# Altium PCB PCB_ZU.PcbDoc (continued)
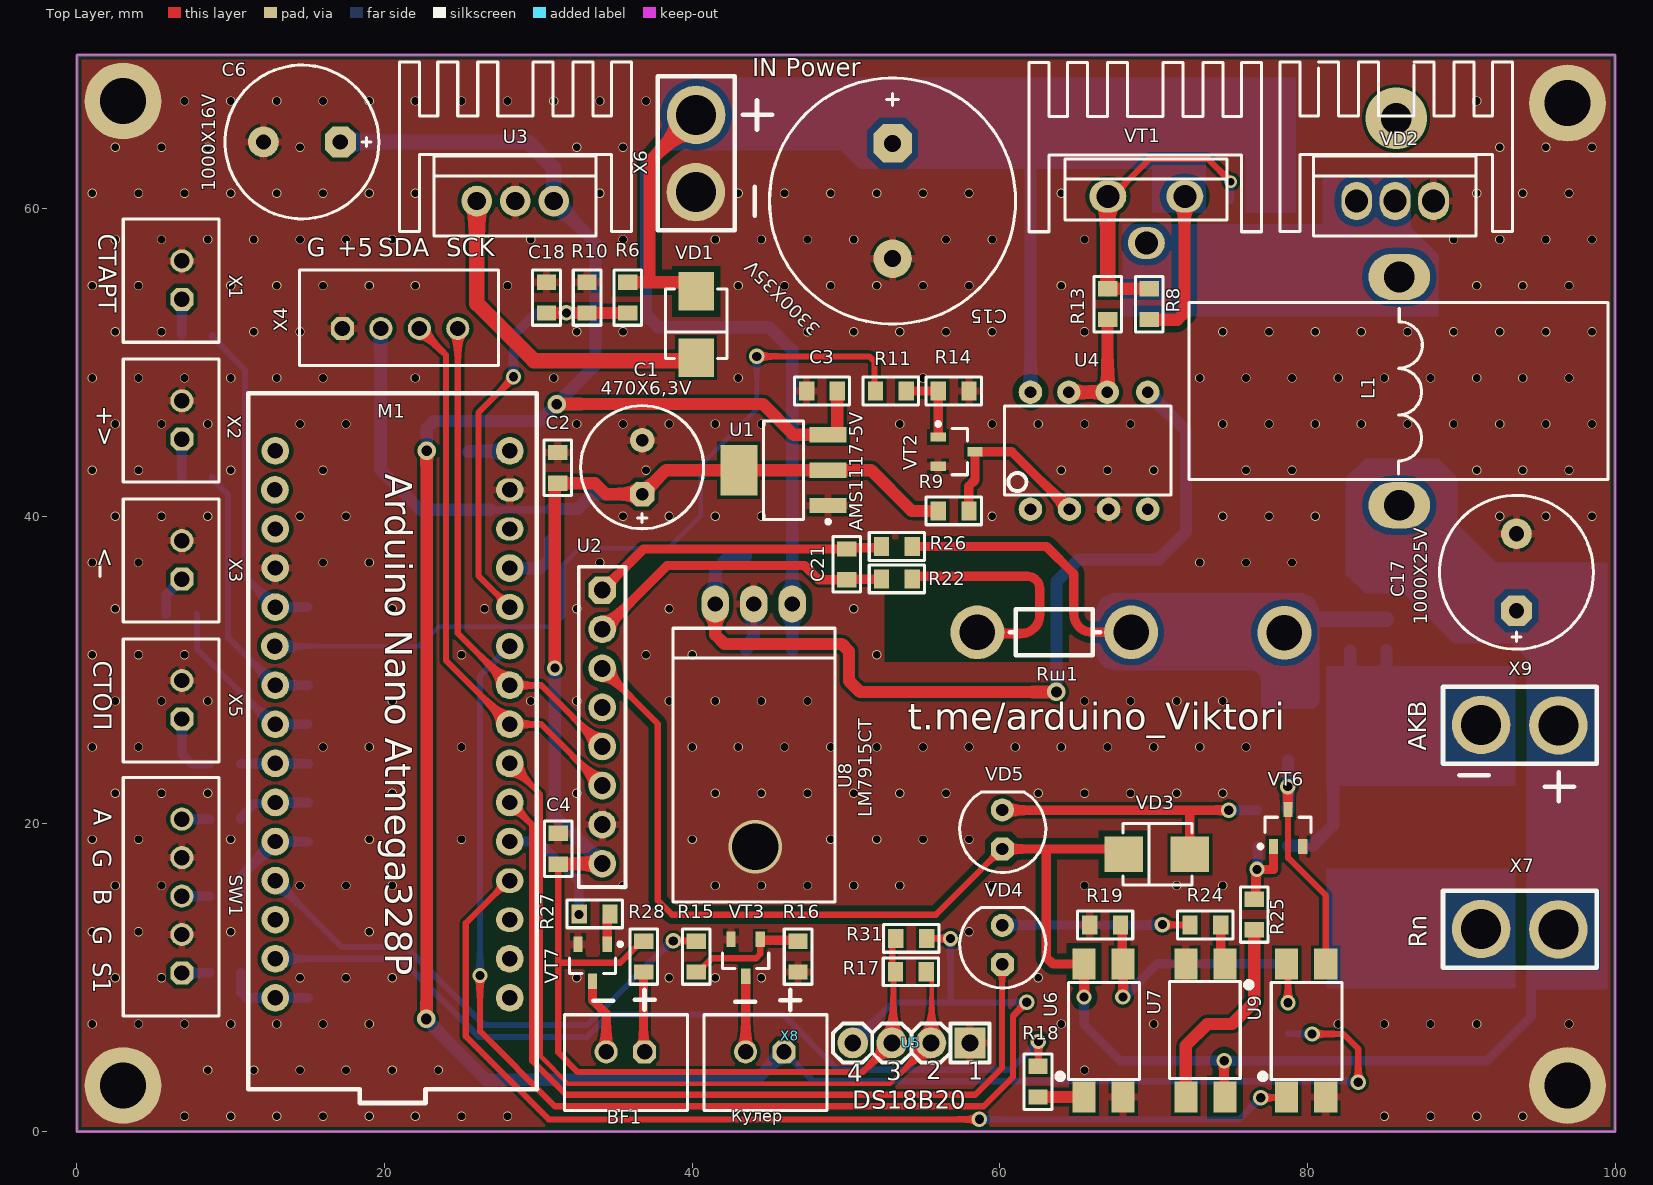
[diagram p0: Top Layer view]
## Footprints (in the part's own frame and the unit in brackets; to place one, negate y for a bottom-side part, rotate by r counter-clockwise, add the part's x,y. Pads: shape width x height; smd on the part's side, far side on the other; paste and mask are expansions set on the pad) (continued)
  round 1.6 hole 0.8: 2(1.75,0)
  silkscreen extent -4,-4 4,4, body extent -4.25,-4.25 4.25,4.25, height 13
D10C5H20 [mm] "Polar capacitor, diameter 10 mm, leads clearance 5 mm, height 20 mm"
  oct 2x2 hole 1: 1(-2.5,0)
  round 2 hole 1: 2(2.5,0)
  silkscreen extent -5,-5 5,5, body extent -5.25,-5.25 5.25,5.25, height 22
D16C7.5H25 [mm] "Polar capacitor, diameter 16 mm, leads clearance 7.5 mm, height 25 mm"
  oct 2.5x2.5 hole 1.1: 1(-3.75,0)
  round 2.5 hole 1.1: 2(3.75,0)
  silkscreen extent -8,-8 8,8, body extent -8.25,-8.25 8.25,8.25, height 27
DFN5x6 [mm]
  rect 0.5x0.85 smd: 1(-2.025,-2.925) 3(-0.725,-2.925) 3(0.575,-2.925) 3(1.875,-2.925)
  rect 0.6x0.8 smd: 2(-2.025,2.925) 2(-0.725,2.925) 2(0.575,2.925) 2(1.875,2.925)
  round 0.5 on Mech2: ""(2.025,-2.4)
  Top Layer region: -2.325,2.525 -1.725,2.525 -1.025,2.525 -0.425,2.525 0.275,2.525 0.875,2.525 1.575,2.525 2.175,2.525 2.175,-0.725 2.675,-0.725 2.675,-1.025 -2.825,-1.025 -2.825,-0.725 -2.325,-0.725
  Top Layer region: -2.825,-1.025 -2.325,-1.025 -2.325,-1.25 2.175,-1.25 2.175,-1.025 2.675,-1.025 2.675,-1.025 2.675,-0.725 -2.825,-0.725
  silkscreen extent -2.78,-3.1 2.62,3, body extent -2.6,-2.92 2.4,3.09, height 1
"DIOD: LED5MM_R" [mm] "Red Leaded Led, 5 mm"
  oct 1.5x1.5 hole 0.8: 1(-1.27,0)
  round 1.5 hole 0.8: 2(1.27,0)
  silkscreen extent -2.8,-2.82 2.42,2.77, body extent -3,-3 3,3, height 14.5
DIP-8 [mil]
  round 60 hole 30: 1(0,0) 2(100,0) 3(200,0) 4(300,0) 5(300,300) 6(196.85,300) 7(98.43,300) 8(0,300)
  silkscreen extent -66,36 359,265, body extent -66,-5 359,300, height 177
"HUNT 10mm" [mm]
  round 3.5 hole 2.3: 1(0,0) 2(10,0)
  silkscreen extent 2,-1.5 7.9,1.5, body extent -1,-1 11,1, height 8
PC817-SMD [mm]
  rect 1.5x2 smd: 1(-1.27,-4.323) 2(1.27,-4.323) 3(1.27,4.323) 4(-1.27,4.323)
  silkscreen extent -3.02,-3.18 2.33,3.12, body extent -2.28,-4.93 2.3,5.07, height 3.85
POWER_L [mm]
  oval 3x4 hole 2: 1(-7.422,0) 2(7.422,0)
  silkscreen extent -5.75,-13.68 5.75,13.57, body extent -5.57,-13.6 5.63,13.5, height 27.05
SMB [mm]
  rect 2.5x2.3 smd: 1(-2.15,0) 2(2.15,0)
  round 0.5 on Top Overlay: ""(2.7,1.8)
  silkscreen extent -2.3,-2 2.2,2, body extent -2.75,-1.95 2.75,1.95, height 2.45
SOT23_123 [mm] "SOT23, 3-Leads, Body 3,0x2,6mm (max), Pitch 0,95mm, IPC Medium Density"
  rect 1x0.6 smd: 1(-1.2,0.95) 2(1.2,0) 3(-1.2,-0.95)
  round 0.5 on Mech1: ""(-0.9,1.1)
  silkscreen extent -1.32,-1.5 0.7,1.92, body extent -1.32,-1.52 1.32,1.52, height 1.12
SOT23_132 [mm] "SOT23, 3-Leads, Body 3,0x2,6mm (max), Pitch 0,95mm, IPC Medium Density"
  rect 1x0.6 smd: 1(-1.2,0.95) 2(-1.2,-0.95) 3(1.2,0)
  round 0.5 on Mech1: ""(-0.9,1.1)
  silkscreen extent -0.3,-1.5 0.7,1.5, body extent -1.32,-1.52 1.32,1.52, height 1.12
SOT223 [mm] "SOT223, 4-Leads, Body 6,50x7,00mm (avg), Pitch 2,30mm, IPC Medium Density"
  rect 2.4x1 smd: 1(-2.9,2.3) 2(-2.9,0) 3(-2.9,-2.3)
  rect 2.4x3.3 smd: 4(2.9,0)
  round 0.5 on Mech1: ""(-3,2.7)
  silkscreen extent -3.03,-3.2 1.3,3.47, body extent -3.48,-3.25 3.48,3.25, height 1.65
TO220_123 [mm] "Generic TO-220 case, stay variant"
  round 2 hole 1.2: 1(-2.5,0) 2(0,0) 3(2.5,0)
  silkscreen extent -5.29,-2.29 5.25,2.92, body extent -5.1,-2.02 5.1,2.68, height 19.85
TO220_123_V [mm]
  oval 2.4x2.1 hole 1.5: 1(-3,0.3) 2(-0.5,-2.725) 3(2,0.3)
  silkscreen extent -5.79,-1.22 4.75,2.72, body extent -5.6,-2.22 4.6,2.48, height 19.85
TO-220_2PIN [mm]
  oval 2x2.5 hole 1.5: 1(-2.5,0) 1(0,0) 2(2.5,0)
  silkscreen extent -5.29,-2.29 5.25,2.92, body extent -5.1,-2.02 5.1,2.68, height 19.85
TO-220_90 [mm]
  oval 1.8x2.4 hole 1: 1(-2.5,0) 2(0,0) 3(2.5,0)
  silkscreen extent -5.29,1.58 5.25,19.38, body extent -5.16,-0.49 5,19, height 3.8

## Part data
BF1: library part Buzzer, Manufacturer="PUI Audio, Inc.", ComponentKind="Internally Driven", HelpURL=https://www.digikey.com/product-detail/en/pui-audio-inc/AI-1223-TWT-3V-2-R/668-1456-ND/5011391, Model=AI-1223-TWT-3V-2-R
C1 C6 C15 C17: library part AlumCap
C2 C3 C4 C5 C7 C8 C9 C10 C11 C12 C13 C14 C16 C18 C19 C20 C21: library part Capacitor
FB1 FB2: library part FB-1
L1: library part TRANS
M1: library part "Arduino nano"
R1 R2 R3 R4 R5 R6 R7 R8 R9 R10 R11 R12 R13 R14 R15 R16 R17 R18 R19 R20 R21 R22 R23 R24 R25 R26 R27 R28 R29 R31 Rш1: library part Resistor
SW1: "Encoder"
U1: library part AMS117
U2: library part INA226
U3 U8: library part 7809
U5: library part DS18B20_V1
VD1 VD3: library part Diod
VD2: library part "Diod Schottky"
VD4 VD5: library part LED
VT1 VT8: library part P-KANAL
VT2 VT6 VT7: library part N-P-N
VT3 VT4 VT5: library part N-KANAL
X1 X2 X3 X5 X8: library part 2-Connector
X4: library part 4-Connector
X6 X7 X9: library part 2-CON

## Free pads (board coordinates)
  round 5 hole 3: 1(3,3) 1(3,67) 1(96.911,3) 1(96.911,66.864)

## Via types
v1: diameter 0.6, hole 0.5, Top Layer to Bottom Layer, tented both sides, 313 vias
v2: diameter 1, hole 0.6, Top Layer to Bottom Layer, tented both sides, 22 vias
v3: diameter 1.2, hole 0.7, Top Layer to Bottom Layer, tented both sides, 4 vias
v4: diameter 0.8, hole 0.5, Top Layer to Bottom Layer, tented both sides, 1 vias
v5: diameter 4, hole 2, Top Layer to Bottom Layer, tented both sides, 1 vias
v6: diameter 3.5, hole 3, Top Layer to Bottom Layer, 1 vias
v7: diameter 3.5, hole 2.3, Top Layer to Bottom Layer, 1 vias

## Nets (pads, with @x,y where several pads share a name; then routed paths per layer and width w, separated by ;. In a path a pad name is that pad's centre, name@x,y a point inside that pad or via, vN(x,y) a via of type N, cw(c..) or ccw(c..) an arc to the next point about the centre after c; other vN are vias at no path point)
+5V: C1.1 C2.1 C4.2 FB2.2 R9.2 R17.2 R28.1 R31.2 U1.2 U1.4 U2.8 U5.3 X4.2 | length 131.7
  Top Layer w0.4: C4.2 31.293,10.975 ; R28.1 36.73,12.38 35.325,10.975 31.293,10.975 ; U5.3 51.087,3.875 32.575,3.875 31.293,5.157 31.293,10.975 ; R17.2@53.003,10.396 53.003,12.522 R31.2@53.044,12.563 ; U5.3@53.078,5.766 53.078,10.254 R17.2
  Top Layer w0.8: v2(31.075,30.137) 31.075,42.052 31.175,42.152 C2.1 33.679,42.152 34.386,41.445 C1.1 38.308,43.004 U1.4 U1.2 51.621,43.004 54.271,40.354 R9.2 ; C4.2 31.308,17.404 34.138,17.404 U2.8
  Bottom Layer w0.5: 26.914,40.425 27.467,40.425 27.472,40.43 28.808,40.43 28.813,40.425 30.772,40.425 FB2.2
  Bottom Layer w0.8: X4.2 19.762,42.988 22.325,40.425 26.914,40.425 ; FB2.2 32.554,40.479 33.52,41.445 C1.1 ; v2@31.075,30.125 31.075,20.497 U2.8
+12V: C3.1 C6.1 C7.1 FB1.2 R29.1 U1.3 U3.3 X8.1 | length 172.2
  Top Layer w0.4: v2(80.3,6.35) 82.325,6.35 83.3,5.375 v2(83.3,3.208)
  Top Layer w0.8: v3@22.743,7.257 v3(22.743,44.269) ; v3@31.18,47.3 44.6,47.3 46.596,45.304 U1.3 49.339,45.304 49.439,45.404 C3.1
  Bottom Layer w0.4: X8.1 47.881,3.275 83.233,3.275 v2(83.3,3.208) ; R29.1 78.759,6.367 80.283,6.367 v2(80.3,6.35)
  Bottom Layer w0.8: v3(22.743,44.269) 22.743,45.728 23.211,46.196 FB1.2@25.384,46.196 ; v3@22.8,7.2 26.634,3.366 44.15,3.366 X8.1 ; FB1.2 30.105,46.199 v3(31.191,47.285) ; U3.3 33.713,57.787 33.713,49.833 v3@31.255,47.375
  Bottom Layer w1: C6.1 29.311,64.339 31,62.65 U3.3
  other v3: 22.712,7.329
+VIN: C8.1 U3.1 VD1.2 | length 25.1
  Top Layer w1: U3.1 26,53.825 29.702,50.123 40.061,50.123 VD1.2
  Bottom Layer w1: U3.1 26.006,60.494 C8.1
-15V: C13.1 U4.5 U8.3 | length 58.5
  Top Layer w0.8: U8.3 41.5,32.3 42.1,31.7 49.731,31.7 50.2,31.231 50.2,29.3 50.917,28.583 v3(63.683,28.583)
  Bottom Layer w0.8: U8.3 41.5,36.5 42.3,37.3 43.4,37.3 C13.1 ; v3(63.683,28.583) 63.683,35.783 65.1,37.2 70.3,37.2 72.1,39 72.1,45.585 U4.5
A0: M1.19 U9.1 | length 67.6
  Top Layer w0.4: M1.19 28.04,16.32 25.275,13.555 25.275,6.188 30.663,0.8 v2(58.675,0.8) ; v2(76.964,2.204) 78.604,2.204 U9.1
  Bottom Layer w0.4: v2(58.675,0.8) 75.56,0.8 76.95,2.19 v2@76.95,2.2
A2: M1.21 VD4.1 | length 56.3
  Top Layer w0.4: M1.21 29.6,19.94 29.6,4.6 31.805,2.395 58.395,2.395 60.149,4.149 60.149,10.858 VD4.1
A3: M1.22 R17.1 U5.2 | length 52
  Top Layer w0.3: M1.22 30.151,21.929 30.151,4.899 31.925,3.125 52.877,3.125 55.57,5.818 55.57,10.046 R17.1 ; R17.1@55.02,10.271 R17.1@55.02,10.396
A6: M1.25 R31.1 U5.4 | length 86.5
  Top Layer w0.4: v2(26.209,10.153) 26.209,6.516 31.075,1.65 58.95,1.65 60.85,3.55 60.85,7.513 v2(61.745,8.407) ; R31.1 v2@56.688,12.563
  Bottom Layer w0.4: v2@26.2,10.025 26.2,29.62 M1.25 ; U5.4 53.072,8.4 56.825,8.4 ; v2(56.792,12.551) 56.792,8.433 56.825,8.4 ; v2@61.625,8.4 56.825,8.4
A7: C18.1 M1.26 R6.1 R10.2 | length 28.7
  Top Layer w0.4: M1.26 26.1,36.14 26.1,46.725 v2@28.35,48.975
  Top Layer w0.8: C18.1 R6.1
  Bottom Layer w0.6: v2(28.382,49.073) 28.382,51.757 29.85,53.225 v2(31.825,53.225)
D3: M1.6 R11.2 | length 54.7
  Top Layer w0.4: v2(44.2,50.4) 51.5,50.4 51.858,50.042 51.858,48.207 R11.2
  Bottom Layer w0.3: M1.6 22.235,31.56 23.506,32.831 30.956,32.831 31.625,33.5 31.625,36.85 32.7,37.925 38.437,37.925 40.563,40.051 40.563,43.313 44.2,46.95 v2(44.2,50.4)
D9: M1.12 R15.2 | length 33.5
  Top Layer w0.4: v2(38.775,12.4) 38.785,12.39 40.251,12.39 R15.2
  Bottom Layer w0.4: M1.12 17.22,12 21.4,12 26.469,6.931 33.179,6.931 38.647,12.4 v2(38.775,12.4)
D10: M1.13
D11: M1.14 R18.2 | length 56.3
  Top Layer w0.4: R18.2 62.508,4.282 v2(62.508,5.861) ; R18.2@62.857,4.304 R18.2@62.805,4.252 ; R18.2@62.804,4.254 R18.2@62.805,4.252
  Bottom Layer w0.4: M1.14 21.06,11.24 26.136,6.164 33.189,6.164 34.65,7.625 45.875,7.625 49.475,4.025 60.672,4.025 v2(62.508,5.861)
GND: C1.2 C2.2 C3.2 C4.1 C5.1 C6.2 C7.2 C8.2 C9.1 C10.1 C11.1 C14.2 C15.2 C16.2 C17.2 C18.2 C19.2 C20.1 M1.4 M1.29 pad.1 R10.1 R14.2 R16.1 R19.2 R22.1 Rш1.2 SW1.2 SW1.4 U1.1 U2.7 U3.2 U4.3 U5.1 U6.2 U7.2 U8.2 U9.2 VD2.2 VT2.3 VT3.2 VT4.3 VT6.3 VT7.3 X1.2 X2.2 X3.2 X4.1 X5.2 X6.2 | length 18.2
  Top Layer w0.6: R22.1 cw(c54.475,35.936) 54.475,36.1 61.8,36.1 cw(c61.8,35.307) 62.593,35.307 62.593,33.592 cw(c61.379,33.592) 61.379,32.378 Rш1.2@58.855,32.378
  Bottom Layer w0.6: X2.2 X2.2@6.859,47.482
  Bottom Layer w0.8: C20.1 43.6,31.422 43.6,31.722 44,32.122 U8.2
  other v1: 7,1 10,1 13,1 16,1 19,1 22,1 25,1 28,1 85,1 88,1 91,1 94,1 8.5,4 11.5,4 14.5,4 17.5,4 20.5,4 23.5,4 65.5,4 1,7 4,7 7,7 10,7 13,7 16,7 19,7 64,7 70,7 82,7 85,7 88,7 91,7 97,7 2.5,10 5.5,10 14.5,10 17.5,10 20.5,10 32.5,10 38.5,10 41.5,10 44.5,10 62.5,10 1,13 4,13 10,13 19,13 58,13 2.5,16 5.5,16 14.5,16 17.5,16 20.5,16 35.5,16 41.5,16 44.5,16 47.5,16 50.5,16 53.5,16 59.5,16 65.5,16 71.5,16 74.5,16 1,19 4,19 10,19 19,19 25,19 40,19 49,19 52,19 55,19 58,19 2.5,22 5.5,22 8.5,22 20.5,22 32.5,22 41.5,22 44.5,22 47.5,22 50.5,22 53.5,22 56.5,22 62.5,22 65.5,22 68.5,22 71.5,22 74.5,22 1,25 4,25 16,25 19,25 25,25 40,25 43,25 46,25 49,25 52,25 55,25 58,25 61,25 64,25 67,25 70,25 73,25 76,25 2.5,28 5.5,28 8.5,28 20.5,28 29.5,28 32.5,28 38.5,28 41.5,28 44.5,28 47.5,28 65.5,28 68.5,28 71.5,28 74.5,28 1,31 4,31 7,31 25,31 37,31 40,31 52,31 2.5,34 20.5,34 26.5,34 32.5,34 38.5,34 50.5,34 1,37 4,37 16,37 19,37 34,37 73,37 76,37 79,37 2.5,40 5.5,40 8.5,40 14.5,40 17.5,40 35.5,40 38.5,40 41.5,40 44.5,40 59.5,40 74.5,40 77.5,40 80.5,40 92.5,40 95.5,40 98.5,40 1,43 4,43 10,43 16,43 37,43 64,43 67,43 70,43 76,43 79,43 91,43 94,43 97,43 2.5,46 5.5,46 8.5,46 14.5,46 17.5,46 32.5,46 35.5,46 38.5,46 41.5,46 44.5,46 53.5,46 59.5,46 62.5,46 65.5,46 68.5,46 74.5,46 77.5,46 80.5,46 83.5,46 86.5,46 89.5,46 92.5,46 95.5,46 98.5,46 1,49 4,49 7,49 10,49 13,49 16,49 22,49 31,49 43,49 55,49 73,49 76,49 79,49 82,49 85,49 88,49 91,49 94,49 97,49 2.5,52 5.5,52 11.5,52 14.5,52 32.5,52 35.5,52 47.5,52 50.5,52 53.5,52 56.5,52 59.5,52 65.5,52 74.5,52 77.5,52 80.5,52 83.5,52 86.5,52 89.5,52 92.5,52 95.5,52 98.5,52 1,55 4,55 10,55 13,55 16,55 19,55 22,55 28,55 43,55 46,55 49,55 52,55 55,55 58,55 64,55 91,55 94,55 97,55 2.5,58 5.5,58 8.5,58 11.5,58 14.5,58 17.5,58 20.5,58 29.5,58 35.5,58 41.5,58 44.5,58 47.5,58 50.5,58 56.5,58 59.5,58 65.5,58 89.5,58 92.5,58 95.5,58 98.5,58 1,61 4,61 7,61 10,61 13,61 16,61 19,61 22,61 34,61 43,61 46,61 49,61 52,61 55,61 58,61 64,61 91,61 94,61 97,61 2.5,64 5.5,64 8.5,64 14.5,64 32.5,64 35.5,64 92.5,64 95.5,64 98.5,64 7,67 10,67 13,67 16,67 19,67 22,67 25,67 28,67 31,67 34,67 37,67 91,67
  other v6: 44.096,18.526
IN+: C21.1 R26.2 U2.1 | length 19.3
  Top Layer w0.6: U2.1 36.832,37.879 C21.1 50.128,37.958 52.231,37.958 R26.2
IN-: C21.2 R22.2 U2.2 | length 20.3
  Top Layer w0.6: U2.2 34.236,32.659 38.376,36.8 47.3,36.8 48.221,35.879 C21.2 50.078,35.907 52.282,35.907 R22.2
Net_D: L1.1 VD2.1 VT1.2 VT8.2
Net_G: R8.1 R13.2 VT1.1 VT8.1 | length 19.3
  Top Layer w0.4: VT1.1 67.3,60.8 69.751,63.251 73.52,63.251 v4(75.018,61.753)
  Top Layer w0.8: R13.2 R8.1
  Top Layer w1: R13.2@67.008,54.794 VT1.1@67.008,60.492
  Bottom Layer w0.4: VT8.1@75.012,60.513 v4@75.012,61.747
Net_S: C13.2 C15.1 C20.2 R6.2 R8.2 U4.8 U8.1 VD1.1 VT1.3 VT8.3 X6.1 | length 94.2
  Top Layer w0.8: R6.2 37.225,55.224 ; VD1.1 39.662,55.224 37.225,55.224 ; X6.1 37.225,63.063 37.225,55.224 ; R8.2@69.827,52.784 71.531,52.784 72,53.253 VT1.3@72,60.5
  Bottom Layer w0.8: 38.856,64.705 37,62.849 37,53.1 37.8,52.3 45,52.3 46.5,50.8 U8.1 C20.2 ; U4.8@61.882,48.183 U4.8 61.99,62.49
  Bottom Layer w4: X6.1 51.176,66.1
NetBF1_1: BF1.1 R28.2 | length 5.2
  Top Layer w0.6: R28.2@36.774,10.38 36.841,10.313 36.841,5.253 BF1.1
NetBF1_2: BF1.2 VT7.2 | length 5
  Top Layer w0.6: VT7.2 33.527,8.548 34.408,7.667 BF1.2
NetC12_1: C12.1 R23.2 R26.1 Rш1.1 VT5.3 | length 23.1
  Top Layer w0.6: R26.1 63.038,38.037 64.8,36.275 64.8,33.675 ccw(c66.014,33.675) 66.014,32.461 Rш1.1
  Bottom Layer w0.6: 80.325,31.775 80.325,31.791
  Bottom Layer w1: 80.325,33.316 C12.1
  other v7: 78.5,32.432
NetC12_2: C12.2 R21.2 R23.1 VT5.2 X9.2 | length 13.9
  Bottom Layer w0.8: R21.2 80.318,18.593 81.675,19.95 81.675,23.05 ; R23.1 82.783,28.76 VT5.2 ; 85.075,29.85 85.139,29.914 C12.2
NetFB1_1: FB1.1 M1.30 | length 2.7
  Bottom Layer w0.8: FB1.1 25.461,44.229 28.109,44.229 M1.30
NetFB2_1: FB2.1 M1.27 | length 4.4
  Top Layer w0.8: M1.27 M1.27@28.331,36.831
  Bottom Layer w0.8: M1.27 28.154,36.626 30.101,36.626 30.779,37.304 30.779,38.432 FB2.1
NetM1_20: M1.20 R27.2 | length 7.7
  Bottom Layer w0.6: M1.20 29.998,18.86 32.651,16.207 v2(32.651,14.109)
NetR1_1: R1.1 X1.1 | length 2.3
  Bottom Layer w0.4: R1.1 R1.1@6.814,51.805 ; X1.1@6.814,54.1 X1.1
  Bottom Layer w0.6: R1.1@6.814,51.805 X1.1@6.814,54.1
NetR2_1: R2.1 X2.1 | length 2.5
  Bottom Layer w0.6: R2.1 6.814,42.575 6.814,45.006 X2.1 X2.1@6.833,45.025
NetR3_1: R3.1 X3.1 | length 2.7
  Bottom Layer w0.6: R3.1 5.815,34.912 X3.1
NetR4_1: R4.1 X5.1 | length 4.4
  Bottom Layer w0.6: X5.1 6.825,24.55 7.482,23.893 R4.1
NetR5_1: R5.1 SW1.5 | length 1.9
  Bottom Layer w0.6: SW1.5 SW1.5@6.947,20.315 ; SW1.5@6.825,20.315 R5.1
NetR7_1: R7.1 SW1.1 | length 1.8
  Bottom Layer w0.6: SW1.1 6.833,10.323 8.639,10.323 R7.1
NetR9_1: R9.1 U4.2 VT2.2 | length 11.7
  Top Layer w0.6: R9.1 57.975,40.378 57.975,41.95 58.389,42.364 VT2.2 60.779,44.206 U4.2
NetR11_1: R11.1 R14.1 VT2.1 | length 5.1
  Top Layer w0.6: R11.1 55.989,48.149 55.994,48.144 55.994,45.156 VT2.1
NetR12_1: R12.1 SW1.3 | length 1.8
  Bottom Layer w0.6: SW1.3 6.831,15.309 8.641,15.309 R12.1
NetR13_1: R13.1 U4.6 U4.7 | length 7.2
  Top Layer w0.8: U4.7 U4.6 67.002,48.088 R13.1@67.002,52.794
NetR15_1: R15.1 R16.2 VT3.1 | length 8.1
  Top Layer w0.4: R15.1 40.386,10.38 41.281,11.275 44.15,11.275 44.427,11.552 44.427,12.443 VT3.1
  Top Layer w0.6: VT3.1@44.427,12.443 46.822,12.443 R16.2
NetR18_1: R18.1 U6.1 | length 2.7
  Top Layer w0.8: R18.1@62.805,2.252 62.808,2.25 65.476,2.25 U6.1
NetR19_1: R19.1 U6.3 VT4.1 | length 16
  Top Layer w0.6: R19.1 67.963,13.311 67.963,10.948 U6.3 v2@68.018,8.738
  Bottom Layer w0.6: v2@68.333,9.008 70.234,10.909 VT4.1
  other v2: 68,8.754
NetR20_1: R20.1 VD3.1 VD5.2 | length 18.8
  Top Layer w0.6: VD5.2@60.165,20.894 v2(74.88,20.894) ; VD3.1@72.354,18.457 72.354,20.7
  Bottom Layer w0.6: v2(74.88,20.894) R20.1
NetR21_1: R21.1 R25.2 VT6.1 | length 6.1
  Top Layer w0.6: R25.2 76.641,15.216 76.641,16.971 v2(76.717,17.047) 77.79,17.047 77.792,17.05 VT6.1
  Bottom Layer w0.6: v2@76.747,17.064 R21.1
NetR24_1: R24.1 VD4.2 | length 12.3
  Top Layer w0.4: v2@70.482,13.432 R24.1
  Bottom Layer w0.6: VD4.2 60.189,13.437 70.544,13.437 v2(70.569,13.461)
NetR24_2: R24.2 U7.1 | length 2.6
  Top Layer w0.6: R24.2@74.355,13.426 74.355,11.169 U7.1
NetR25_1: R25.1 U7.3 | length 13.6
  Top Layer w0.8: U7.3 72.091,5.591 73.494,6.994 75.094,6.994 76.538,8.438 R25.1
NetR27_1: R27.1 VT7.1 | length 2.1
  Top Layer w0.6: VT7.1 34.477,13.82 34.686,14.028 R27.1@34.686,14.153
NetR29_2: R29.2 U9.4 | length 2.6
  Top Layer w0.4: U9.4 78.736,10.805 v2(78.736,8.378)
  Top Layer w0.6: U9.4 U9.4@78.685,10.931
NetVT3_3: VT3.3 X8.2 | length 4.9
  Top Layer w0.6: X8.2 43.477,5.192 VT3.3
NetVT4_2: VT4.2 X7.2 | length 0
  Bottom Layer w4: X7.2@91.273,13.189 X7.2
PEC_D7: C14.1 M1.10 R5.2 | length 4.9
  Bottom Layer w0.6: R5.2 10.647,20.439 11.533,21.325 12.825,21.325 M1.10 12.909,21.391 15.047,21.391 C14.1@15.056,21.382
PEC_D8: C19.1 M1.11 R12.2 | length 6.7
  Bottom Layer w0.6: R12.2 10.647,16.607 M1.11 12.916,18.844 15.039,18.844 C19.1
PEC_D12: C16.1 M1.15 R7.2 | length 5.9
  Bottom Layer w0.6: R7.2 10.675,10.304 10.65,10.279 10.65,9.051 11.001,8.7 M1.15 12.906,8.706 15.049,8.706 C16.1
SCL: M1.24 U2.5 X4.4 | length 32.3
  Top Layer w0.4: X4.4 24.762,32.398 M1.24 30.172,29.02 U2.5
SDA: M1.23 U2.6 X4.3 | length 35.8
  Top Layer w0.4: X4.3 24,50.476 24,30.62 M1.23 30.172,26.48 U2.6
SW1: C5.2 M1.5 R1.2 | length 21.6
  Bottom Layer w0.4: R1.2 8.803,51.669 10.925,49.547 10.925,36.075 M1.5 ; C5.2@15.018,34.1 C5.2
  Bottom Layer w0.6: M1.5 C5.2@15.018,34.1
SW2: C9.2 M1.7 R2.2 | length 17.5
  Top Layer w0.4: M1.7@12.796,29.124 M1.7
  Bottom Layer w0.4: R2.2 8.803,42.439 9.825,41.417 9.825,32.095 M1.7 ; C9.2@15.049,29.02 C9.2
  Bottom Layer w0.6: M1.7 C9.2@15.049,29.02
SW3: C10.2 M1.8 R3.2 | length 11.6
  Bottom Layer w0.4: R3.2 7.815,31.351 12.686,26.48 M1.8 ; C10.2@15.031,26.48 C10.2@15.056,26.456
  Bottom Layer w0.6: M1.8 C10.2@15.031,26.48
SW4: C11.2 M1.9 R4.2 | length 4.4
  Bottom Layer w0.6: R4.2 10.671,23.917 12.877,23.917 M1.9 12.915,23.925 15.041,23.925 C11.2@15.056,23.911
VBS: C17.1 L1.2 U2.3 U6.4 U7.4 VD3.2 VD5.1 X7.1 X9.1 | length 99
  Top Layer w0.4: U2.3 37.762,26.51 37.762,15.034 38.696,14.1 55.85,14.1 VD5.1@59.842,18.092 ; U6.4@64.928,11.626 65.474,11.08 65.474,10.893 U6.4@65.474,10.89 ; VD3.2@67.713,18.374 VD3.2
  Top Layer w0.6: VD5.1 63.075,18.374 ; v2(65.471,8.754) 65.474,8.757 U6.4@65.474,10.89 ; U6.4 65.474,10.893 63.457,10.893 63.025,11.325 63.025,18.324 63.075,18.374 ; VD3.2@67.713,18.374 63.075,18.374 ; U7.4@74.581,2.248 v2@74.581,4.569
  Bottom Layer w0.6: v2@65.491,8.754 65.491,6.934 67.817,4.608 v2(74.592,4.608) 91.674,4.608 94.552,7.486 94.552,9.615
VT5: R20.2 U9.3 VT5.1 VT6.2 | length 15.9
  Top Layer w0.4: VT6.2 78.742,17.808 81.188,15.362 U9.3
  Top Layer w0.6: v2(78.722,22.431) 78.742,22.412 VT6.2
  Bottom Layer w0.8: R20.2@78.687,21.04 R20.2@78.717,21.069 ; VT5.1 78.735,24.12 78.735,22.444 v2(78.722,22.431) 78.752,22.402 R20.2@78.752,20.893
pads on no net: BF1.23 BF1.24 M1.1 M1.2 M1.3 M1.16 M1.17 M1.18 M1.28 SW1.30 U1. U2.4 U4.1 U4.4 VD1. VD3. VT2. VT3. VT6. VT7. VT8. X1.23 X1.24 X2.23 X2.24 X3.23 X3.24 X4.30 X5.23 X5.24 X8.23 X8.24
copper on no net:
  other v5: 85.764,65.866

## Polygon pours and split planes (outlines as drawn)
GND on Top Layer "Top" (solid, remove dead copper, pour order 0): 0,70 100,70 100,0 0,0
GND on Bottom Layer "Top" (solid, remove dead copper, pour order 1): 0,70 100,70 100,0 0,0

## Keep-outs
Keep-Out Layer:
  the board outline again, w0.2

## Other copper
Top Layer:
  pour cut-out: 88.619,29.047 98.869,29.047 98.869,23.797 88.619,23.797
  pour cut-out: 88.75,15.75 99,15.75 99,10.5 88.75,10.5
  pour cut-out: 64.5,30.5 52.5,30.5 52.5,38.5 63,38.5 64.5,37
Bottom Layer:
  region net NetC12_1: 66.25,33.75 cw(c67.5,33.75) 67.5,35 79.5,35 cw(c79.5,33.75) 80.75,33.75 80.75,28 cw(c80.25,28) 80.25,27.5 77.25,27.5 cw(c77.25,27.75) 77,27.75 77,29.25 ccw(c76.25,29.25) 76.25,30 67.5,30 cw(c67.5,31.25) 66.25,31.25
  region net Net_S: 76,59.75 79.25,59.75 79.25,68.5 72.75,68.5 72.75,63.5 76,63.5
  region net Net_S: 73.375,59.75 73.375,68.5 61.4,68.5 38,68.5 38,63.8 49.7,63.8 50.9,62.6 69.9,62.6 69.9,59.75
  pour cut-out: 81.3,16.875 81.3,18.15 80.775,18.675
  pour cut-out: 79.65,35.425 79.7,35.375 82.975,35.375 82.975,34.91 83.317,34.567 83,34.25 80.4,34.25
  region net VBS: 94.25,9.25 94.25,30.75 93.25,31.75 89.5,31.75 86.25,35 83.75,35 82.5,36.25 82.5,42.5 83.75,43.75 88.5,43.75 89.75,42.5 89.75,39.5 92.25,37 99.5,37 99.5,9.25
  region net NetVT4_2: 81.25,9.329 81.25,17.079 93.5,17.079 93.5,16.829 93.5,9.329
  region net NetC12_2: 81.25,22.5 81.25,30.25 93.5,30.25 93.5,30 93.5,22.5
  pour cut-out: 32.9,34 32.9,31.5 35.6,31.5 35.6,34
  region net Net_D: 68,59 81,59 81,62 86.4,62 86.7,61.7 86.7,58.8 88.5,57 88.5,53 68,53

## Silkscreen, mask and mechanical layers (free items; w line width, h text height)
Top Overlay:
  lines w0.2: 1.5,36.1 1.5,37 ; 23.46,69.519 23.46,66.026 22.26,66.026 22.26,69.526 20.96,69.526 20.96,58.526 22.26,58.526 22.26,63.526 34.76,63.526 34.76,58.526 36.06,58.526 36.06,69.526 34.762,69.526 34.762,66.026 33.56,66.026 33.56,69.526 32.26,69.526 32.26,66.026 30.96,66.026 30.96,69.526 29.66,69.526 ; 23.46,69.526 24.76,69.526 24.76,66.026 26.06,66.026 26.06,69.526 27.36,69.526 27.36,66.026 28.66,66.026 29.66,66.026 29.66,69.519 ; 80.725,69.132 80.725,66.032 79.525,66.032 79.525,69.532 78.225,69.532 78.225,58.532 79.525,58.532 79.525,63.532 92.025,63.532 92.025,58.532 93.325,58.532 93.325,69.532 92.027,69.532 92.027,66.032 90.825,66.032 90.825,69.532 89.525,69.532 89.525,66.032 88.225,66.032 88.225,69.532 86.925,69.532 ; 80.725,69.532 82.025,69.532 82.025,66.032 83.325,66.032 83.325,69.532 84.625,69.532 84.625,66.032 85.925,66.032 86.925,66.032 86.925,69.332 ; 61.9,58.5 63.2,58.5 63.2,63.5 75.7,63.5 75.7,58.5 77,58.5 77,69.5 75.702,69.5 75.702,66 74.5,66 74.5,69.5 73.2,69.5 73.2,66 71.9,66 71.9,69.5 70.6,69.5 70.6,69.3 70.6,66 69.6,66 68.3,66 68.3,69.5 67,69.5 67,66 65.7,66 65.7,69.5 64.4,69.5 64.4,69.1 64.4,66 63.2,66 63.2,69.5 61.9,69.5 61.9,58.5
  lines w0.3: 33.557,8.514 34.857,8.514 ; 36.255,8.571 37.555,8.571 ; 36.9,7.925 36.9,9.225 ; 42.812,8.441 44.112,8.441 ; 43.3,66.1 45.2,66.1 ; 44.061,59.54 44.061,61.44 ; 44.211,65.14 44.211,67.04 ; 45.73,8.552 47.03,8.552 ; 46.375,7.906 46.375,9.206 ; 89.887,23.165 91.787,23.165 ; 95.428,22.427 97.328,22.427 ; 96.339,21.467 96.339,23.367
  text "IN Power" at 43.9,68.22 h2
  text "СТАРТ" at 1.023,58.388 h2 r270
  text "G" at 14.939,56.507 h2
  text "+5" at 16.926,56.507 h2
  text "SDA" at 19.598,56.507 h2
  text "SCK" at 24,56.507 h2
  text "+>" at 0.904,47.2 h2 r270
  text "<" at 0.904,38 h2 r270
  text "СТОП" at 0.722,30.6 h2 r270
  text "t.me/arduino_Viktori" at 54.025,25.533 h3
  text "AKB" at 88.1,24.75 h2 r90
  text "A" at 0.7,21 h2 r270
  text "G" at 0.678,18.368 h2 r270
  text "B" at 0.7,15.8 h2 r270
  text "G" at 0.678,13.361 h2 r270
  text "Rn" at 88.157,11.96 h2 r90
  text "S1" at 0.678,11 h2 r270
  text "2" at 55.224,3.016 h2
  text "1" at 57.9,2.987 h2
  text "3" at 52.608,2.939 h2
  text "4" at 50.068,2.84 h2
  text "Кулер" at 42.532,0.37 h1.3
Bottom Overlay:
  drawing of 16 lines, arcs and shapes, not listed
Top Solder:
  rectangle: 38.9,15.1 49.1,30.6
Bottom Solder:
  region: 66.25,33.75 cw(c67.5,33.75) 67.5,35 79.5,35 cw(c79.5,33.75) 80.75,33.75 80.75,28 cw(c80.25,28) 80.25,27.5 77.25,27.5 cw(c77.25,27.75) 77,27.75 77,29.25 ccw(c76.25,29.25) 76.25,30 67.5,30 cw(c67.5,31.25) 66.25,31.25
  region: 73,68.5 79.25,68.5 79.25,59.75 76,59.75 76,63.5 73,63.5
  region: 94.25,9.25 94.25,30.75 93.25,31.75 89.5,31.75 86.25,35 83.75,35 82.5,36.25 82.5,42.5 83.75,43.75 88.5,43.75 89.75,42.5 89.75,39.5 92.25,37 99.5,37 99.5,9.25
  region: 68,59 81,59 81,62 86.4,62 86.725,61.675 86.725,58.775 88.5,57 88.5,53 68,53
  region: 38,63.1 43,63.1 45.9,60.2 54,60.2 56.7,57.5 56.7,35.8 61.7,35.8 61.7,29.9 50.6,29.9 50.6,53 49.5,54.1 38.1,54.1 38,54.2
  region: 73.375,59.725 73.375,68.5 61.4,68.5 38,68.5 38,63.8 49.7,63.8 50.9,62.6 69.9,62.6 69.9,59.725
  lines w4: 85.13,13.189 91.273,13.189 ; 85.167,26.436 91.31,26.436
  text "PCB: @R7KBI" at 22.1,2.768 h2
  text "Rev: 0.2" at 18.6,-0.132 h2

## Dimensions
0,0 to 0,70 on Size
0,70 to 100,70 on Size

## Text inside footprints (layer, text, board x,y; h text height)
M1: Top Overlay "Arduino Nano Atmega328P" at 19.464,42.76 h3 r270